# KiCad board processed.kicad_pcb (continued)
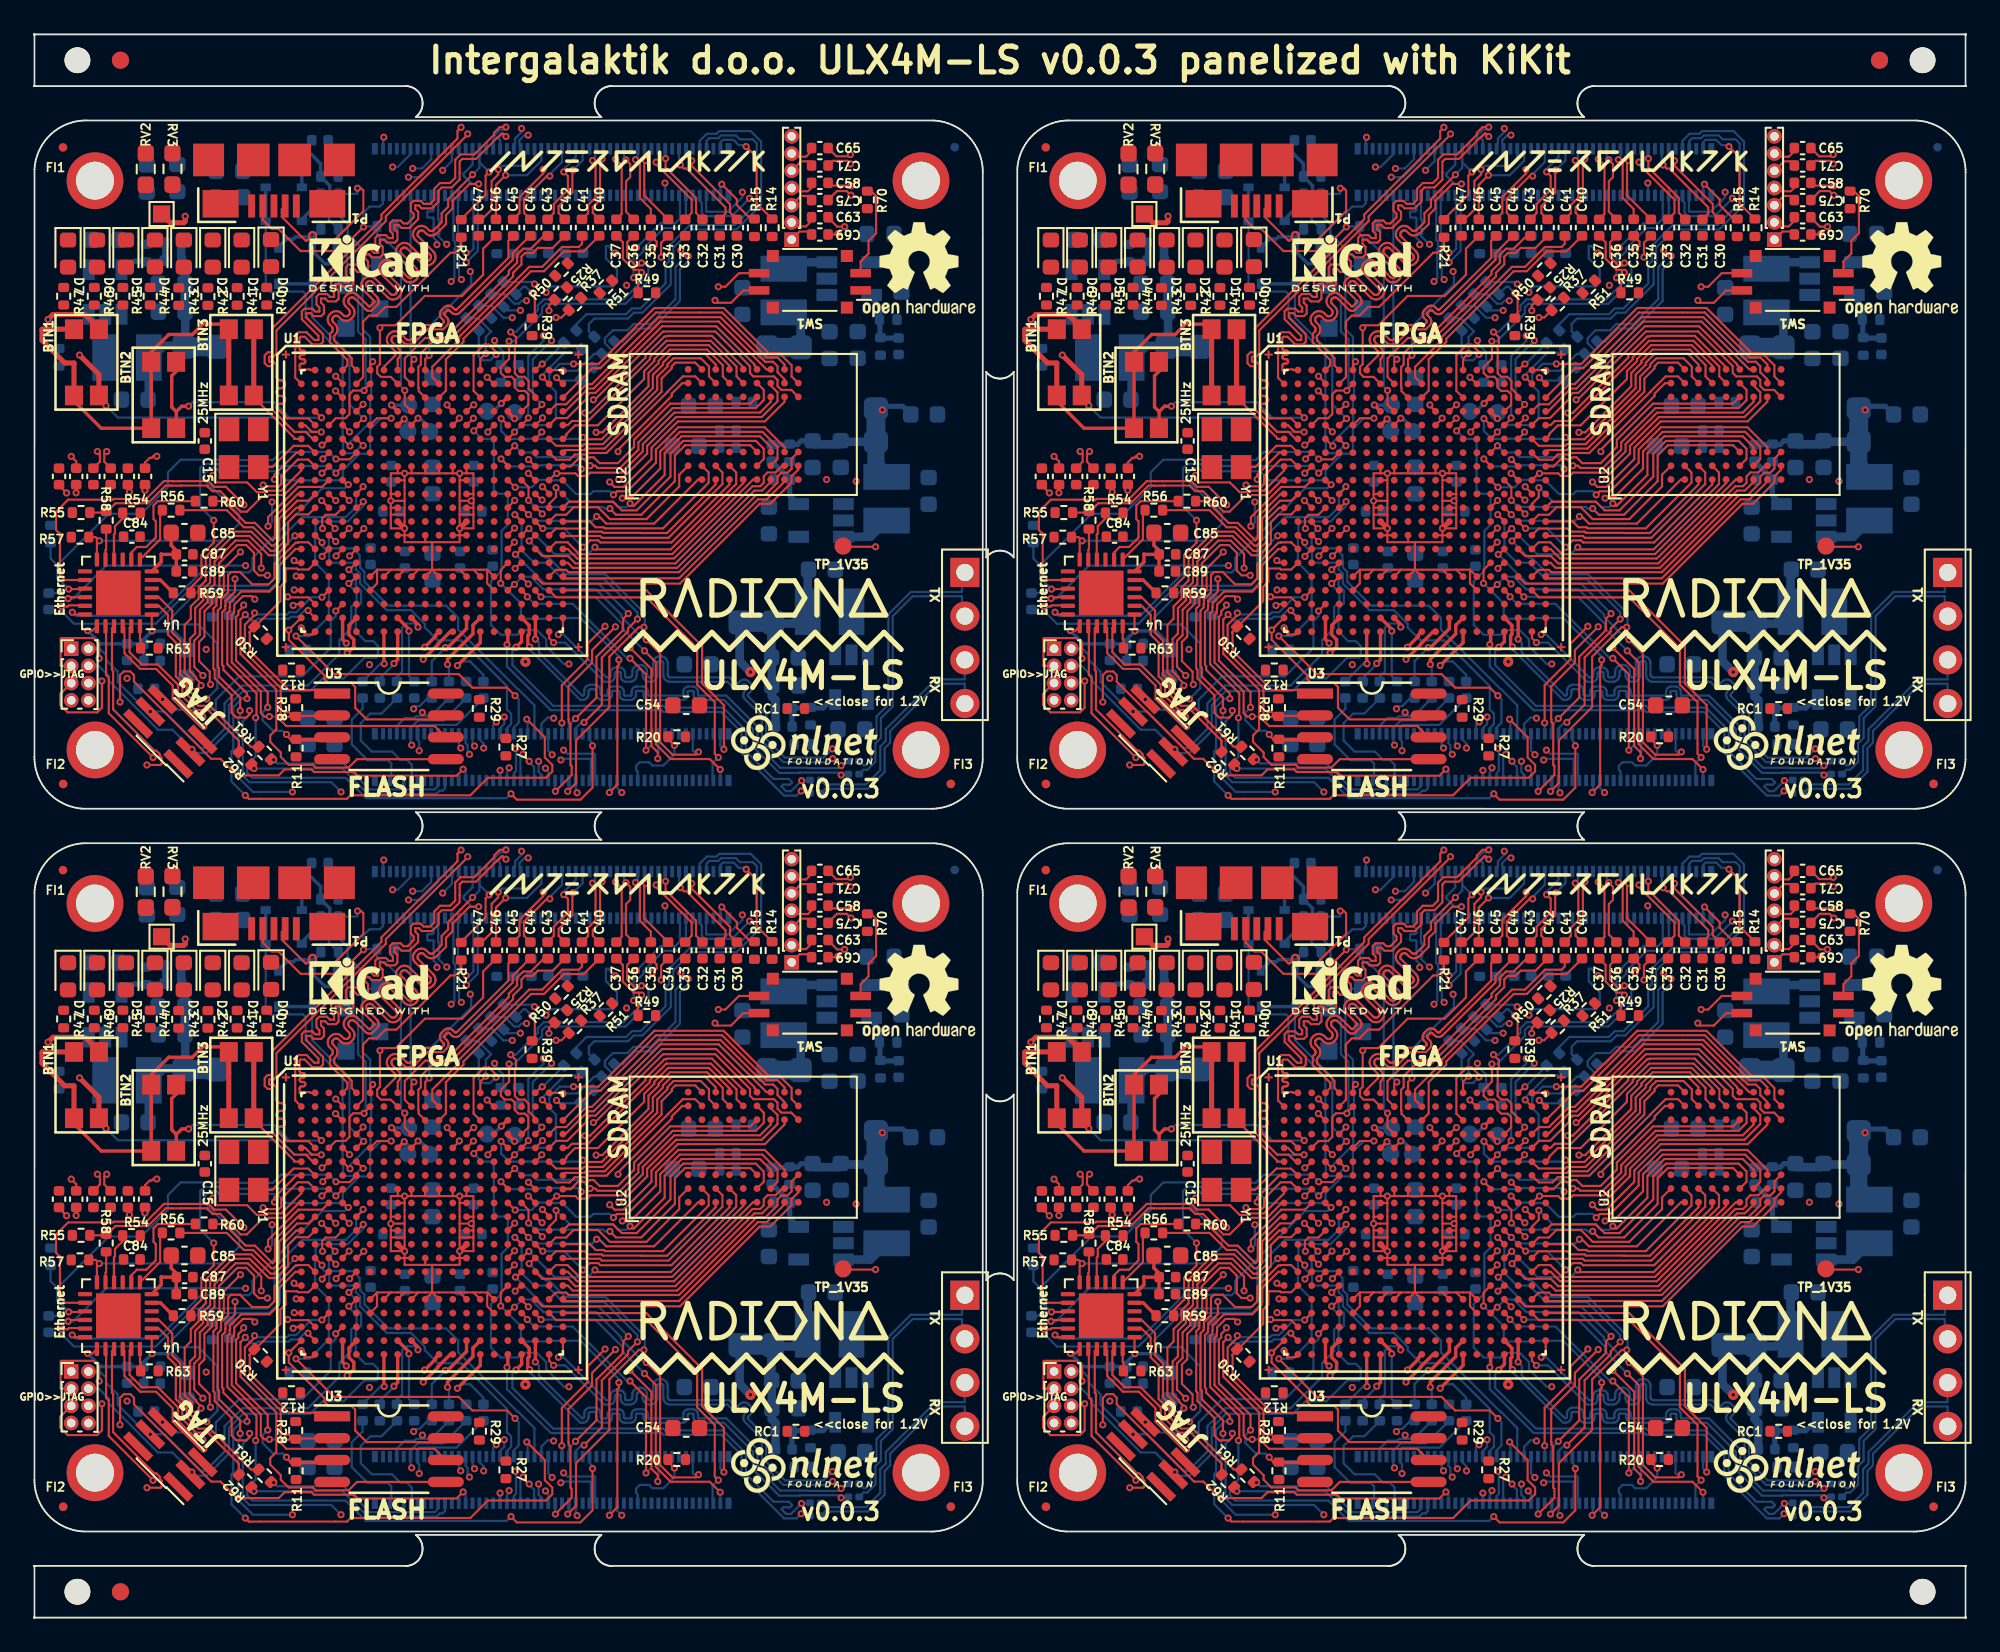
[diagram p0: board, top side]
## Routing (per net, layer and track width the routed paths; a pad name or vN(x,y) marks a point on that pad's centre or on a via; arc(x,y) is an arc through that point) (continued)
Board_2-HDMI1_TX0_P: length 5
  Top w0.127: C43#3.2 30.18,39.61 30.18,40.14 31,40.96 31,41.77 v1(30.76,42.01)
  Bottom w0.127: v1(30.76,42.01) 30.76,42.17 31.46,42.87 J2#3.58
Board_2-HDMI1_TX1_N: length 5.3
  Top w0.127: C44#3.2 28.45,39.62 28.45,40.44 29.77,41.77 v1(29.95,41.77)
  Bottom w0.127: J2#3.54 30.66,42.58 29.95,41.88 v1(29.95,41.77)
Board_2-HDMI1_TX1_P: length 5.1
  Top w0.127: v1(29.56,42.15) 29.56,41.92 28.19,40.54 28.19,39.62 C45#3.2
  Bottom w0.127: J2#3.52 30.26,42.85 v1(29.56,42.15)
Board_2-HDMI1_TX2_N: length 5.9
  Top w0.127: C46#3.2 26.82,41.26 v1(27.38,41.82)
  Bottom w0.127: J2#3.48 29.46,42.66 28.62,41.82 v1(27.38,41.82)
Board_2-HDMI1_TX2_P: length 6.5
  Top w0.127: v1(26.95,42.16) 26.95,41.86 26.57,41.47 26.57,39.82 26,39.25 C47#3.2
  Bottom w0.127: J2#3.46 29.06,42.68 28.74,42.36 27.16,42.36 v1(26.95,42.16)
Board_2-ID_SC: length 66.1
  Top w0.127: U1#3.J3 16.72,23.7 15.34,23.7 13.58,21.94 v1(13.58,21.42)
  In2.Cu w0.127: v1(27.06,7.23) 27.06,7.08 26.51,6.53 26.36,6.53 26.36,6.53 20.76,6.53 20.74,6.51 19.94,6.51 19.56,6.89 17.14,6.89 17.02,6.76 14.82,6.76 14.42,6.36 12.63,6.36 12.55,6.43 11.96,6.43 11.61,6.09 2.59,6.09 1.09,7.58 1.09,10.56 0.92,10.73 0.92,24.45 1.3,24.82 6.95,24.82 7.9,23.88 9.28,23.88 10.18,24.78 11.76,24.78 13.5,23.04 13.6,23.04 v1(13.81,22.83)
  Bottom w0.127: J1#3.35 27.06,7.23 v1(27.06,7.23) ; v1(13.58,21.42) 13.81,21.65 v1(13.81,22.83)
Board_2-ID_SD: length 63.5
  Top w0.127: v1(10.37,24.38) 10.37,24.15 10.56,23.96 12.36,23.96 12.93,23.4 13.43,23.4 13.51,23.48 14.34,23.48 15.51,24.66 U1#3.H1
  In2.Cu w0.127: v1(27.3,10.34) 27.3,8.07 26.66,7.43 26.66,7.04 26.4,6.79 26.25,6.79 26.25,6.78 20.65,6.78 20.64,6.76 20.04,6.76 19.66,7.14 17.04,7.14 16.91,7.01 14.72,7.01 14.32,6.61 12.73,6.61 12.66,6.69 11.85,6.69 11.56,6.4 8.14,6.4 7.46,7.07 6.99,7.07 6.81,6.89 6.26,6.89 5.73,7.42 5.73,8.84 4.13,10.44 1.58,10.44 1.18,10.83 1.18,24.34 1.41,24.57 6.85,24.57 7.8,23.61 9.61,23.61 v1(10.37,24.38)
  Bottom w0.127: v1(27.3,10.34) 27.3,9.93 27.06,9.68 J1#3.36
Board_2-JTAG_TCK: length 25.9
  Top w0.127: v1(18.27,18.09) 18.31,18.09 U1#3.T5
  Bottom w0.127: J6#3.2 3.15,14.29 3.8,14.29 4.16,13.93 4.16,13.65 4.84,12.97 4.84,12.38 6.57,10.65 v1(6.73,10.65) 7.56,10.65 9.67,8.54 9.94,8.54 11.05,9.64 11.05,11.12 12.09,12.16 15.89,12.16 17.72,13.99 17.72,14.24 17.72,14.25 17.72,14.81 18.41,15.5 18.41,16.73 18.72,17.05 18.72,17.58 18.27,18.03 v1(18.27,18.09)
Board_2-JTAG_TDI: length 29.1
  Top w0.127: v1(18.28,18.89) 18.31,18.89 U1#3.R5
  Bottom w0.127: J6#3.4 3.74,13.3 4.32,12.73 4.32,12.45 7.18,9.59 8.02,9.59 v1(9.16,8.45) 9.37,8.24 10.02,8.24 11.3,9.53 11.3,11.02 12.13,11.84 16.02,11.84 16.75,12.58 17.97,12.58 19.18,13.78 19.86,13.78 19.96,13.88 19.96,14.46 19.68,14.74 19.23,14.74 18.67,15.3 18.67,16.63 18.98,16.95 18.98,17.67 18.67,17.98 18.67,18.5 v1(18.28,18.89)
Board_2-JTAG_TDO: length 19.4
  Top w0.127: v1(17.51,16.49) U1#3.V4
  In2.Cu w0.127: v1(7.44,11.36) 7.12,11.67 4.6,11.67 4.25,12.02 3.42,12.02 J6#3.6
  Bottom w0.127: v1(7.44,11.36) 8.04,10.75 10.53,10.75 10.54,10.76 10.54,11.33 11.9,12.69 15.56,12.69 17.08,14.21 17.08,14.26 17.22,14.4 17.22,15.9 17.51,16.2 v1(17.51,16.49)
Board_2-Net-(BTN1-Pad1): length 25.9
  Top w0.2: BTN1#4.1 2.3,28.69 3.88,27.11 6.78,27.11 BTN2#3.1 BTN2#3.1 6.79,31.54 7.81,32.56 9.18,32.56 9.85,33.23 9.9,33.23 9.97,33.16 11,33.16 11.3,32.87
  Top w0.3: 11.3,29.02 11.3,32.87 ; BTN1#4.1 0.46,32.87 0.44,32.84 0.44,32.22 1.76,30.9 2.3,30.9 BTN1#4.1
Board_2-Net-(D10-Pad1): length 1.6
  Bottom w0.2: R4#4.1 15.54,42.52 D10#3.1
Board_2-Net-(D11-Pad2): length 1.4
  Bottom w0.2: R5#3.1 15.98,39.69 15.54,39.25 D11#3.2
Board_2-Net-(D12-Pad1): length 2
  Bottom w0.2: R6#3.1 16.89,36.67 16.13,37.43 D12#3.1
Board_2-Net-(D13-Pad2): length 2.9
  Bottom w0.2: R7#3.1 16.2,38.23 15.18,38.23 15.06,38.11 14.66,38.11 D13#3.2
Board_2-Net-(R22-Pad2): length 3.5
  Top w0.127: U1#3.A19 30.68,30.49 v1(30.72,30.45)
  Bottom w0.127: R22#3.2 32.53,31.43 31.55,30.45 v1(30.72,30.45)
Board_2-Net-(R23-Pad2): length 2.3
  Top w0.127: U1#3.A18 29.46,30.85 v1(29.5,30.85)
  Bottom w0.127: R23#3.2 29.54,30.85 v1(29.5,30.85)
Board_2-Net-(R24-Pad2): length 4.3
  Top w0.127: v1(26.23,31.46) 25.91,31.15 U1#3.A14
  Bottom w0.127: v1(26.23,31.46) 26.23,32.42 26.54,32.73 25.77,33.5 R24#3.2
Board_2-Net-(R25-Pad2): length 10.3
  Top w0.127: v1(25.53,28.48) 25.49,28.48 U1#3.D13 ; R25#3.2 29.9,34.24 v1(29.9,33.95)
  In2.Cu w0.127: v1(29.9,33.95) 29.63,33.95 28.06,32.37 28.06,31.71 27.35,31 25.35,31 25.09,30.74 25.09,28.92 v1(25.53,28.48)
Board_2-Net-(R26-Pad2): length 11.6
  Top w0.127: U1#3.D12 23.98,28.43 v1(23.98,28.47)
  In2.Cu w0.127: v1(28.6,34.53) 27.3,34.53 23.98,31.21 v1(23.98,28.47)
  Bottom w0.127: R26#3.2 27.34,34.89 27.88,34.35 28.15,34.35 28.32,34.53 v1(28.6,34.53)
Board_2-Net-(R34-Pad1): length 2
  Top w0.127: v1(30.34,30.05) 30.35,30.05 U1#3.B20
  Bottom w0.127: v1(30.34,30.05) 30.51,29.89 31.7,29.89 R34#3.1
Board_2-Net-(R35-Pad1): length 3.6
  Top w0.127: U1#3.B19 v1(29.52,30.08)
  Bottom w0.127: v1(29.52,30.08) 29.52,30.21 30.82,31.51 31.63,31.51 R35#3.1
Board_2-Net-(R36-Pad1): length 7.3
  Top w0.127: v1(26.83,31.4) 26.83,31.55 26.4,31.97 26.14,31.97 25.52,31.36 25.52,29.29 U1#3.C14
  Bottom w0.127: v1(26.83,31.4) 26.49,31.06 26.04,31.06 25.82,31.28 R36#3.1
Board_2-Net-(R37-Pad1): length 11.4
  Top w0.127: v1(30.31,33.55) 30.62,33.55 R37#4.1 ; U1#3.E13 v1(25.51,27.69)
  In2.Cu w0.127: v1(30.31,33.55) 29.59,33.55 28.31,32.27 28.31,31.61 27.35,30.64 25.35,30.64 25.35,29.23 25.93,28.65 25.93,28.11 v1(25.51,27.69)
Board_2-Net-(R38-Pad1): length 10.4
  Top w0.127: v1(24.69,27.7) 24.69,27.68 U1#3.E12
  In2.Cu w0.127: v1(28.24,33.96) 27.1,33.96 24.27,31.13 24.27,28.76 24.69,28.33 v1(24.69,27.7)
  Bottom w0.127: R38#3.1 27.48,33.96 v1(28.24,33.96)
Board_2-Net-(R54-Pad1): length 2.9
  Top w0.127: R54#3.1 5.13,21.87 4.68,21.43 4.68,20.99 4.62,20.92 4.62,19.49 U4#3.10
Board_2-Net-(R56-Pad1): length 3.4
  Top w0.127: R56#3.1 7.3,22.23 7.3,20.66 U4#3.7
Board_2-Net-(R58-Pad2): length 1.8
  Top w0.127: U4#3.11 4.13,20.03 4.17,20.07 R58#3.2
Board_2-Net-(R60-Pad1): length 6.6
  Top w0.127: U4#3.8 5.63,19.89 5.95,20.21 6.5,20.21 7.05,20.77 7.05,21.71 6.92,21.84 6.92,22.63 7.17,22.87 R60#3.1
Board_2-Net-(R70-Pad2): length 5.5
  Top w0.127: SW1#3.2 48.01,36.8 48.47,37.26 48.47,38 48.91,38.45 48.91,40.6 48.62,40.89 R70#3.2
Board_2-Net-(TP_C16-Pad1): length 1.5
  Top w0.2: v1(27.13,28.55) 27.47,28.89 U1#3.C16
  Bottom w0.2: TP_C16#3.1 26.67,28.09 v1(27.13,28.55)
Board_2-Net-(TP_D8-Pad1): length 1.5
  Top w0.2: U1#3.D8 21.11,28.1 v1(20.75,28.46)
  Bottom w0.2: v1(20.75,28.46) 20.76,28.45 TP_D8#3.1
Board_2-Net-(TP_D16-Pad1): length 0.9
  Top w0.2: v1(27.9,27.67) 27.51,28.06 U1#3.D16
  Bottom w0.2: v1(27.9,27.67) 27.91,27.68 TP_D16#3.1
Board_2-Net-(TP_E8-Pad1): length 1.3
  Top w0.2: v1(21.49,27.65) 21.13,27.29 U1#3.E8
  Bottom w0.2: TP_E8#3.1 21.7,27.44 v1(21.49,27.65)
Board_2-Net-(TP_E9-Pad1): length 1.7
  Top w0.127: U1#3.E9 21.91,27.31 v1(22.29,27.69)
  Bottom w0.2: TP_E9#3.1 22.97,27.12 22.4,27.69 v1(22.29,27.69)
Board_2-nEXTRST: length 16.9
  Top w0.127: U1#3.U20 35.56,17.69 38.8,14.45 38.8,12.29 40.06,11.02 v1(40.06,8.45)
  Bottom w0.127: v1(40.06,8.45) 39.86,8.66 J1#3.100
Board_2-PCIe_CLK_nREQ: length 19.2
  Top w0.127: U1#3.A10 22.71,31.12 v1(22.94,31.35)
  In2.Cu w0.127: v1(20.3,44.02) 21.04,43.28 23.6,43.28 24.5,42.38 24.5,38.61 25.6,37.51 25.6,36.49 v1(25.33,36.22)
  Bottom w0.127: v1(25.33,36.22) 25.38,36.17 25.38,35.46 22.95,33.03 22.95,31.36 v1(22.94,31.35) ; v1(20.3,44.02) 20.26,43.98 J2#3.2
Board_2-PCIe_CLK_P: length 35.3
  Top w0.127: C59#4.1 2.43,25.19 v1(2.14,25.48)
  In2.Cu w0.127: v1(2.14,25.48) 1.99,25.63 1.99,26.57 2.93,27.51 9.17,27.51 11.54,29.89 11.56,29.89 11.73,29.72 11.96,29.72 12.27,30.03 12.27,30.26 12.1,30.43 12.1,30.45 14.08,32.42 14.08,32.71 13.91,32.87 13.91,32.95 14.02,33.05 14.09,33.05 14.6,32.54 14.89,32.54 15.14,32.8 15.14,33.11 14.87,33.39 14.86,33.39 14.65,33.61 14.65,33.68 14.75,33.78 14.83,33.78 14.99,33.62 15.28,33.62 16.56,34.9 16.56,35.2 16.33,35.42 16.33,35.85 16.75,35.85 16.98,35.62 17.61,35.62 20.88,38.89 20.88,40.53 21.13,40.78 21.13,40.83 20.88,41.08 20.88,42.23 v1(20.82,42.3)
  Bottom w0.127: J2#3.10 21.86,43.04 21.11,42.3 v1(20.82,42.3)
Board_2-PCIe_nRST: length 10.3
  Top w0.127: U1#3.A9 21.91,30.98 v1(22.06,31.12)
  Bottom w0.127: v1(22.06,31.12) 21.86,31.32 J2#3.9
Board_2-PCIe_RX_N: length 35.2
  Top w0.127: v1(3.66,25.76) 3.8,25.62 3.8,25.17 C67#3.2
  In2.Cu w0.127: v1(21.73,41.7) 22.08,41.7 22.22,41.56 22.22,39.24 13.84,30.86 11.54,28.56 11.38,28.56 11.21,28.72 10.84,28.72 10.68,28.55 10.68,28.18 10.84,28.02 10.84,27.85 10.83,27.84 10.67,27.84 10.5,28.01 10.13,28.01 9.96,27.84 9.96,27.47 10.13,27.3 10.13,27.14 8.48,27.14 8.38,27.24 8.18,27.24 8.08,27.14 7.88,27.14 7.78,27.24 7.58,27.24 7.48,27.14 7.04,27.14 6.47,26.57 6.15,26.57 6.03,26.69 6.03,26.92 5.77,27.18 5.54,27.18 5.27,26.92 5.27,25.79 5.14,25.66 5.02,25.79 5.02,26.3 4.74,26.57 4.18,26.57 3.8,26.2 3.8,25.91 v1(3.66,25.76)
  Bottom w0.127: J2#3.18 23.46,42.75 22.41,41.7 v1(21.73,41.7)
Board_2-PCIe_RX_P: length 35.5
  Top w0.127: C61#3.1 4.06,25.17 4.06,25.62 v1(4.2,25.76)
  In2.Cu w0.127: v1(21.98,42.21) 22.48,41.71 22.48,39.64 22.6,39.51 22.91,39.51 23.04,39.39 22.91,39.26 22.6,39.26 11.73,28.39 11.65,28.3 11.27,28.3 11.11,28.47 10.95,28.47 10.93,28.45 10.93,28.29 11.09,28.12 11.09,27.75 10.93,27.59 10.56,27.59 10.4,27.75 10.23,27.75 10.22,27.74 10.22,27.57 10.38,27.41 10.38,27.04 10.23,26.89 7.92,26.89 7.72,26.69 7.62,26.69 7.42,26.89 7.14,26.89 6.57,26.32 6.04,26.32 5.78,26.58 5.78,26.81 5.67,26.93 5.64,26.93 5.53,26.81 5.53,25.68 5.25,25.41 5.04,25.41 4.76,25.68 4.76,26.19 4.64,26.32 4.28,26.32 4.06,26.09 4.06,25.91 v1(4.2,25.76)
  Bottom w0.127: J2#3.16 23.06,42.75 22.52,42.21 v1(21.98,42.21)
Board_2-PCIe_TX_P: length 34.6
  Top w0.127: C55#3.1 6.43,25.12 6.7,25.39 6.81,25.39 6.9,25.48 v1(7.11,25.48)
  In2.Cu w0.127: v1(7.11,25.48) 7.2,25.58 7.56,25.58 8.15,26.17 8.56,26.17 8.73,25.99 8.86,25.99 9.03,26.17 10.73,26.17 11.95,27.39 11.97,27.41 12,27.42 12.04,27.43 12.07,27.43 12.1,27.42 12.13,27.41 12.16,27.39 12.6,26.94 12.67,26.89 12.74,26.85 12.83,26.83 12.91,26.83 13,26.85 13.07,26.89 13.14,26.94 13.17,26.97 13.22,27.04 13.26,27.12 13.28,27.2 13.28,27.29 13.26,27.37 13.22,27.45 13.17,27.51 12.73,27.96 12.71,27.98 12.69,28.01 12.69,28.04 12.69,28.08 12.69,28.11 12.71,28.14 12.73,28.16 12.75,28.18 12.78,28.2 12.81,28.21 12.85,28.21 12.88,28.2 12.91,28.18 12.93,28.16 13.38,27.72 13.44,27.67 13.52,27.63 13.6,27.61 13.69,27.61 13.77,27.63 13.85,27.67 13.92,27.72 13.95,27.75 14,27.82 14.04,27.9 14.06,27.98 14.06,28.06 14.04,28.15 14,28.22 13.95,28.29 13.5,28.74 13.48,28.76 13.47,28.79 13.46,28.82 13.46,28.85 13.47,28.89 13.48,28.92 13.5,28.94 13.53,28.96 13.56,28.98 13.59,28.98 13.62,28.98 13.66,28.98 13.69,28.96 13.71,28.94 14.01,28.64 14.08,28.58 14.16,28.55 14.24,28.53 14.33,28.53 14.41,28.55 14.49,28.58 14.55,28.64 14.59,28.67 14.64,28.74 14.68,28.81 14.7,28.9 14.7,28.98 14.68,29.07 14.64,29.14 14.59,29.21 14.28,29.51 14.26,29.54 14.25,29.57 14.24,29.6 14.24,29.63 14.25,29.66 14.26,29.69 14.28,29.72 14.29,29.72 14.3,29.72 14.4,29.62 14.44,29.58 14.49,29.56 14.55,29.54 14.6,29.54 14.66,29.56 14.71,29.58 14.75,29.62 14.97,29.83 15,29.88 15.03,29.93 15.04,29.98 15.04,30.04 15.03,30.09 15,30.14 14.97,30.19 14.87,30.29 14.86,30.3 14.87,30.3 18.79,34.22 19.18,34.22 19.68,34.72 19.68,34.73 23.72,38.78 23.72,40.32 23.87,40.47 24.07,40.47 24.22,40.62 24.07,40.77 23.87,40.77 23.72,40.92 v1(23.72,42.1)
  Bottom w0.127: J2#3.22 24.26,42.64 v1(23.72,42.1)
Board_2-RGMII_REF_CLK: length 26
  Top w0.127: U4#3.14 1.78,18.29 1.48,18.59 1.48,21 1.45,21 1.26,21.19 1.26,22.26 1.96,22.96 4.56,22.96 4.6,23.01 6.49,23.01 7.52,24.04 8.04,24.04 8.04,24.03 8.43,24.03 8.43,24.04 10.12,24.04 10.45,23.71 11.13,23.71 v1(12.17,22.67) ; v1(13.29,23.82) 13.37,23.74 14.21,23.74 14.35,23.87 14.35,24.34 15.3,25.29 15.91,25.29 U1#3.H2
  In2.Cu w0.127: v1(12.17,22.67) 12.25,22.58 13.37,22.58 13.63,22.33 14.01,22.33 14.22,22.53 14.22,23.51 13.99,23.74 13.37,23.74 v1(13.29,23.82)
Board_2-RGMII_RX_DV: length 14.3
  Top w0.127: U1#3.J1 15.37,24.09 14.51,23.23 13.62,23.23 13.52,23.13 13.21,23.13 12.35,22.27 11.99,22.27 10.8,23.46 10.35,23.46 10.08,23.73 10.07,23.73 10.01,23.78 8.54,23.78 8.53,23.78 7.94,23.78 7.93,23.78 7.63,23.78 6.6,22.75 4.71,22.75 4.23,22.27 R58#3.1 4.11,22.21 R55#3.2
Board_2-RGMII_RXD0: length 7.9
  Top w0.127: U1#3.K1 15.3,23.29 13.98,21.97 13.98,20.73 13.84,20.59 12.82,21.62 12.28,21.62 11.02,22.87 R60#3.2
Board_2-RGMII_RXD1: length 10.7
  Top w0.127: R56#3.2 11.18,22.35 12.17,21.36 12.71,21.36 13.78,20.3 13.91,20.3 14.23,20.62 14.23,21.86 15.27,22.9 15.92,22.9 U1#3.K2
Board_2-RGMII_TX_CLK: length 16.9
  Top w0.127: v1(10.42,21.77) 10.42,20.46 9.7,19.75 9.7,18.48 9.09,17.86 R59#3.2 ; U1#3.H4 v1(17.52,24.51)
  Bottom w0.127: v1(10.42,21.77) 9.63,22.55 9.63,24.79 9.87,25.03 10.67,25.03 10.78,24.92 17.1,24.92 v1(17.52,24.51)
Board_2-RGMII_TX_EN: length 20.3
  Top w0.127: U4#3.16 2.04,17.29 v1(1.96,17.22) ; v1(17.51,22.91) 17.49,22.91 U1#3.K3
  In2.Cu w0.127: v1(17.51,22.91) 17.11,23.32 16.08,23.32 14.23,21.47 14.23,20.62 12.75,19.13 v1(12.27,19.13)
  Bottom w0.127: v1(12.27,19.13) 4.17,19.13 2.26,17.22 v1(1.96,17.22)
Board_2-RGMII_TXD0: length 25
  Top w0.127: U4#3.17 2.92,16.82 2.01,16.82 1.94,16.75 v1(1.58,16.75) ; v1(19.1,23.72) 19.1,23.68 U1#3.K5
  Bottom w0.127: v1(19.1,23.72) 18.69,23.31 18.69,22.55 18.1,21.95 15.56,21.95 13.95,20.34 13.95,18.38 13.53,17.96 9.26,17.96 7.05,15.75 2.3,15.75 1.58,16.48 v1(1.58,16.75)
Board_2-RGMII_TXD1: length 20.9
  Top w0.127: U4#3.18 2.33,16.29 v1(2.2,16.42) ; U1#3.J4 18.17,23.84 v1(18.24,23.84)
  Bottom w0.127: v1(18.24,23.84) 18.03,23.63 16.73,23.63 12.67,19.57 12.67,18.94 12.46,18.73 12.01,18.73 11.98,18.76 9.7,18.76 7.15,16.21 2.41,16.21 v1(2.2,16.42)
Board_2-RUN_PG: length 20.2
  Top w0.127: v1(27.9,18.04) 27.85,18.04 U1#3.U16 ; v1(38.59,8.3) 38.43,8.14 37.08,8.14 36.36,8.87 36.36,14.02 v1(35.56,14.82)
  Bottom w0.127: v1(27.9,18.04) 28.34,18.48 28.85,18.48 29.58,17.75 32.63,17.75 34.11,16.27 34.11,16.15 35.44,14.82 v1(35.56,14.82) ; J1#3.92 38.26,8.39 38.36,8.29 38.58,8.29 v1(38.59,8.3)
Board_2-SCL0: length 14.8
  Top w0.127: v1(28.64,17.32) 28.64,17.36 U1#3.U17 ; v1(34.61,13.74) 35.54,12.82 v1(35.54,8.4)
  Bottom w0.127: J1#3.80 35.86,8.72 v1(35.54,8.4) ; v1(34.61,13.74) 34.44,13.74 31.27,16.91 29.05,16.91 v1(28.64,17.32)
Board_2-SD_CLK: length 45.2
  Top w0.127: U1#3.G1 15.23,25.69 13.95,24.41 v1(13.95,24.15) ; v1(11.97,19.92) 11,18.96 11,17.69 10.58,17.27 10.58,16.82 10.4,16.64 10.4,13.15 10.47,13.08 10.47,12.58 11.46,11.6 11.46,10.58 11.74,10.3 12.31,10.3 12.5,10.49 v1(12.5,10.71)
  In2.Cu w0.127: v1(11.97,19.92) 11.97,20.4 13.4,21.82 13.86,21.82 14.47,22.43 14.47,23.62 v1(13.95,24.15) ; v1(17.82,5.98) 18.07,5.73 26.79,5.73 27.34,6.27 27.94,6.27 28.6,5.61 31.22,5.61 v1(31.54,5.93)
  Bottom w0.127: v1(17.82,5.98) 17.25,6.55 12.49,6.55 12.11,6.93 12.11,7.64 12.11,10.09 12.5,10.49 v1(12.5,10.71) ; J1#3.57 31.46,6.01 v1(31.54,5.93)
Board_2-SD_CMD: length 41.3
  Top w0.127: v1(12.86,10.29) 12.9,10.34 12.9,11.71 11.21,13.4 11.21,16.36 11.34,16.49 11.34,16.69 11.36,16.7 11.36,16.96 12.02,17.62 13.66,17.62 14.21,18.17 14.21,19.13 15.17,20.09 U1#3.P1 ; v1(27.69,5.87) 28.03,5.53 31.73,5.53 32.43,6.24 v1(32.43,8.66)
  Bottom w0.127: v1(32.43,8.66) 32.43,8.81 32.26,8.98 J1#3.62 ; v1(12.86,10.29) 12.86,8.03 12.36,7.53 12.36,7.1 12.67,6.8 18.09,6.8 19.27,5.62 27.44,5.62 v1(27.69,5.87)
Board_2-SD_D0: length 28.7
  Top w0.127: v1(26.31,30.07) 26.69,29.69 U1#3.B15
  In2.Cu w0.127: v1(26.31,30.07) 25.75,29.51 25.75,29.21 26.2,28.76 26.2,27.36 26.19,27.36 25.93,27.11 25.93,26.29 25.84,26.2 25.84,21.07 27,19.91 27,18.81 27.5,18.31 27.5,17.41 28.28,16.62 28.28,16.24 28.47,16.05 28.85,16.05 29.77,15.13 29.77,13.83 29.77,13.83 29.77,9.7 30.15,9.32 30.37,9.32 30.75,8.95 v1(30.75,8.41)
  Bottom w0.127: v1(30.75,8.41) 30.96,8.2 32.54,8.2 32.58,8.16 32.58,6.72 J1#3.63
Board_2-SD_D1: length 19.4
  Top w0.127: U1#3.R16 27.1,18.89 27.1,18.11 v1(27.1,18.11) ; v1(33.96,13.66) 33.96,13.36 33.87,13.27 33.87,6.41 v1(33.41,5.95)
  Bottom w0.127: v1(33.41,5.95) 33.46,5.99 J1#3.67 ; v1(27.1,18.11) 28.27,16.93 28.27,16.1 28.33,16.04 29.93,16.04 29.97,16.08 31.73,16.08 33.96,13.85 v1(33.96,13.66)
Board_2-SD_D2: length 29
  Top w0.127: U1#3.E14 25.86,27.29 v1(25.53,26.96)
  In2.Cu w0.127: v1(31.06,13.41) 33.92,10.55 33.92,6.15 v1(34.13,5.94)
  Bottom w0.127: v1(31.06,13.41) 30.76,13.41 29.74,14.44 29.74,14.84 29.2,15.38 28.35,15.38 28.09,15.11 27.1,15.11 26.53,15.68 26.53,18.21 27.15,18.83 27.15,21.15 27.51,21.51 27.51,23.13 27.33,23.31 26.94,23.31 26.7,23.56 26.7,26.29 26.49,26.5 26,26.5 v1(25.53,26.96) ; v1(34.13,5.94) 33.86,6.22 J1#3.69
Board_2-SD_D3: length 43.4
  Top w0.127: v1(11.96,10.7) 11.96,11.46 10.73,12.69 10.73,13.19 10.65,13.26 10.65,16.52 10.84,16.7 10.84,16.9 10.85,16.91 10.85,17.17 11.26,17.58 11.26,18.59 11.43,18.76 11.94,18.76 12.66,18.05 13.62,18.05 13.95,18.38 13.95,19.23 15.18,20.46 15.31,20.46 15.33,20.49 15.92,20.49 U1#3.P2
  In2.Cu w0.127: v1(14.99,5.98) 17.23,5.98 17.63,6.38 18.01,6.38 18.4,5.98 26.69,5.98 27.23,6.52 30.09,6.52 30.42,6.85 30.42,7.48 30.59,7.65 v1(30.59,7.84)
  Bottom w0.127: v1(11.96,10.7) 11.96,10.4 11.85,10.3 11.85,6.82 12.7,5.98 v1(14.99,5.98) ; v1(30.59,7.84) 30.66,7.9 32.33,7.9 32.33,7.9 32.33,6.72 J1#3.61
Board_2-SD_PWR_ON: length 29.5
  Top w0.127: v1(37.19,8.69) 36.82,9.06 R20#3.1 ; v1(26.35,26.9) 26.35,26.94 U1#3.E15
  In2.Cu w0.127: v1(37.19,8.69) 36.89,8.69 35.85,9.73 35.85,10.85 30.63,16.07 29.31,16.07 29.15,16.23 29.15,16.61 28.89,16.86 28.52,16.86 28.24,17.15 28.24,17.51 28.3,17.57 28.3,18.26 28.05,18.51 27.77,18.51 27.28,19 27.28,20.05 26.94,20.39 26.94,21.39 26.47,21.86 26.47,22.9 26.7,23.13 26.7,26.55 v1(26.35,26.9)
  Bottom w0.127: v1(37.19,8.69) 37.19,8.15 36.55,7.51 35.91,7.51 35.72,7.7 35.17,7.7 34.96,7.5 34.96,7.25 35.06,7.16 J1#3.75
Board_2-SDA0: length 16.6
  Top w0.127: v1(34.61,14.36) 35.85,13.12 35.85,8.65 36.22,8.28 v1(36.22,7.92) ; U1#3.T17 28.31,18.45 v1(28.7,18.06)
  In2.Cu w0.127: v1(28.7,18.06) 29,17.76 29.61,17.76 33.01,14.36 v1(34.61,14.36)
  Bottom w0.127: v1(36.22,7.92) 36.26,7.95 J1#3.82
Board_2-SDRAM_A0: length 20.5
  Top w0.127: v1(33.43,23.99) 33.71,23.7 34.24,23.7 35.86,25.32 35.86,25.98 37.39,27.51 42.45,27.51 43.59,28.65 U2#3.H7 ; U1#3.H16 27.51,24.94 v1(27.11,25.33)
  In2.Cu w0.127: v1(31.78,24.75) 32.53,23.99 v1(33.43,23.99)
  Bottom w0.127: v1(31.78,24.75) 31.56,24.96 29.35,24.96 29.29,24.89 27.55,24.89 v1(27.11,25.33)
Board_2-SDRAM_A1: length 17.9
  Top w0.127: U2#3.H8 43.59,29.96 43.18,30.37 43.18,30.72 42.93,30.98 42.46,30.98 39.87,33.57 36.29,33.57 32.39,29.67 32.07,29.67 30.9,28.5 30.32,28.5 U1#3.D19
Board_2-SDRAM_A2: length 24.3
  Top w0.127: v1(27.9,26.89) 27.9,26.88 U1#3.F16 ; v1(31.33,30.85) 32.78,30.85 36.02,34.1 40.06,34.1 42.67,31.48 43.29,31.48 44,30.78 44,30.13 U2#3.J8
  Bottom w0.127: v1(27.9,26.89) 28.31,27.3 29.13,27.3 29.14,27.3 29.9,27.3 30.3,27.69 30.3,29.23 29.92,29.61 29.92,30.21 29.95,30.24 29.95,30.27 30.53,30.85 v1(31.33,30.85)
Board_2-SDRAM_A3: length 19.6
  Top w0.127: v1(32.48,28.77) 32.56,28.77 36.53,32.74 39.57,32.74 41.58,30.72 41.58,30.32 41.78,30.13 42.98,30.13 43.18,29.92 43.18,29.57 43.4,29.34 43.98,29.34 U2#3.J7 ; U1#3.E18 29.53,27.71 v1(29.53,27.72)
  In2.Cu w0.127: v1(29.53,27.72) 30.58,28.77 v1(32.48,28.77)
Board_2-SDRAM_A4: length 18.1
  Top w0.127: U2#3.J3 44,25.34 44,24.77 43.76,24.53 43.4,24.53 43.18,24.3 43.18,23.96 42.45,23.24 41.94,23.24 37.45,18.75 31.03,18.75 30.9,18.89 30.3,18.89 U1#3.T19
Board_2-SDRAM_A5: length 18.6
  Top w0.127: U2#3.J2 44.39,24.71 44,24.32 44,23.97 42.76,22.73 42.15,22.73 37.51,18.09 29.52,18.09 U1#3.T18
Board_2-SDRAM_A6: length 19.8
  Top w0.127: U2#3.H3 43.59,26.02 42.43,27.17 37.42,27.17 36.11,25.87 36.11,25.11 34.46,23.45 33.85,23.45 v1(33.65,23.25) ; v1(27.94,23.68) 27.92,23.68 U1#3.J16
  Bottom w0.127: v1(33.65,23.25) 33.43,23.46 32.48,23.46 32.31,23.29 31.48,23.29 30.68,24.09 29.74,24.09 29.71,24.11 29.33,24.11 28.9,23.68 v1(27.94,23.68)
Board_2-SDRAM_A7: length 17.4
  Top w0.127: U2#3.H2 43.45,24.93 43.06,24.54 42.6,24.54 42.38,24.32 42.38,23.95 42.18,23.74 41.73,23.74 37.24,19.26 31.44,19.26 31.01,19.69 29.51,19.69 U1#3.P18
Board_2-SDRAM_A8: length 15.4
  Top w0.127: U1#3.T20 30.81,18.39 37.46,18.39 42.05,22.98 42.56,22.98 43.59,24.01 U2#3.H1
Board_2-SDRAM_A9: length 17.4
  Top w0.127: U2#3.G3 42.79,26.02 42.16,26.64 37.6,26.64 36.62,25.66 36.62,24.4 34.84,22.61 34.74,22.61 v1(34.61,22.74) ; U1#3.L19 29.91,22.72 30.31,23.12 v1(30.31,23.66)
  Bottom w0.127: v1(30.31,23.66) 31.13,22.84 33.61,22.84 33.92,22.53 34.4,22.53 v1(34.61,22.74)
Board_2-SDRAM_A10: length 16.5
  Top w0.127: U2#3.H9 43.59,30.82 43.18,31.23 42.56,31.23 39.95,33.84 36.13,33.84 32.89,30.6 32.42,30.6 U1#3.C20
Board_2-SDRAM_A11: length 18.5
  Top w0.127: v1(34.16,23.05) 34.28,23.16 34.76,23.16 36.37,24.77 36.37,25.77 37.5,26.9 42.3,26.9 43.18,26.02 43.18,25.33 U2#3.G2 ; U1#3.K19 29.91,23.32 v1(29.52,23.71)
  In2.Cu w0.127: v1(29.52,23.71) 30.39,22.84 33.96,22.84 v1(34.16,23.05)
Board_2-SDRAM_A12: length 14.4
  Top w0.127: U1#3.R20 30.99,19.29 31.28,19 37.35,19 41.84,23.49 42.28,23.49 42.79,24 U2#3.G1
Board_2-SDRAM_BA0: length 15.4
  Top w0.127: U1#3.J19 30.31,24.49 v1(30.35,24.49) 31.44,24.49 31.59,24.34 32.11,24.34 32.3,24.53 34.12,24.53 35.35,25.77 35.35,26.19 37.19,28.02 42.16,28.02 42.79,28.65 U2#3.G7
Board_2-SDRAM_BA1: length 21.4
  Top w0.127: v1(27.91,22.92) 27.51,22.52 U1#3.L16 ; v1(33.95,24.13) 34.09,24.13 35.61,25.64 35.61,26.08 37.29,27.76 42.26,27.76 43.18,28.68 43.18,29.21 42.79,29.6 U2#3.G8
  In2.Cu w0.127: v1(33.95,24.13) 32.38,25.7 31.65,25.7 30.97,25.02 30.97,24.93 29.33,24.93 29.11,24.72 29.1,24.72 29.1,24.11 v1(27.91,22.92)
Board_2-SDRAM_CKE: length 17.7
  Top w0.127: U1#3.J17 28.71,23.69 v1(28.71,22.93) ; v1(33.44,22.44) 33.8,22.09 35.26,22.09 37.22,24.04 37.22,25.53 37.81,26.13 41.6,26.13 U2#3.F3
  Bottom w0.127: v1(33.44,22.44) 33.14,22.44 33.05,22.54 29.1,22.54 v1(28.71,22.93)
Board_2-SDRAM_CLK: length 15.8
  Top w0.127: U1#3.L20 31.06,22.84 33.63,22.84 34.13,22.34 35,22.34 36.96,24.31 36.96,25.64 37.7,26.38 41.92,26.38 42.38,25.92 42.38,25.33 U2#3.F2
Board_2-SDRAM_D0: length 12.5
  Top w0.127: v1(33.92,25.76) 33.92,25.87 37.04,29 37.04,29.13 37.65,29.73 U2#3.A8 ; U1#3.J18 28.71,24.49 v1(28.7,24.49)
  In2.Cu w0.127: v1(28.7,24.49) 28.7,24.69 29.4,25.39 30.98,25.39 31.57,25.99 33.68,25.99 v1(33.92,25.76)
Board_2-SDRAM_D1: length 10.9
  Top w0.127: U2#3.B9 38.4,30.93 37.24,30.93 37.04,30.72 37.04,30.6 36.44,30.01 36.44,29.24 33.14,25.93 32.04,25.93 31.95,25.84 30.86,25.84 U1#3.G20
Board_2-SDRAM_D2: length 11.2
  Top w0.127: U1#3.G19 30.32,25.29 31.1,25.29 31.4,25.59 32.05,25.59 32.14,25.68 33.24,25.68 36.8,29.24 36.8,29.25 37.68,30.13 38.4,30.13 U2#3.B8
Board_2-SDRAM_D3: length 17.1
  Top w0.127: v1(27.12,27.67) 27.13,27.67 U1#3.E16 ; v1(31.87,26.58) 31.98,26.47 32.96,26.47 35.94,29.45 35.94,30.22 36.53,30.81 36.53,30.93 37.03,31.43 38.97,31.43 39.59,30.82 U2#3.C9
  Bottom w0.127: v1(31.87,26.58) 31.79,26.49 28.91,26.49 28.9,26.5 28.63,26.5 28.62,26.49 27.58,26.49 27.12,26.95 v1(27.12,27.67)
Board_2-SDRAM_D4: length 13.4
  Top w0.127: U2#3.C8 39.2,30.13 39.2,30.7 38.72,31.18 37.14,31.18 36.78,30.82 36.78,30.71 36.19,30.11 36.19,29.34 33.03,26.19 31.93,26.19 31.84,26.1 30.31,26.1 U1#3.F19
Board_2-SDRAM_D5: length 13
  Top w0.127: U1#3.F20 30.91,26.69 30.91,26.77 31.42,27.28 32.74,27.28 35.43,29.97 35.43,30.43 36.02,31.02 36.02,31.14 36.82,31.94 39.2,31.94 40.39,30.75 U2#3.D9
Board_2-SDRAM_D6: length 16.8
  Top w0.127: U2#3.D8 40,30.13 40,30.78 39.09,31.69 36.93,31.69 36.27,31.03 36.27,30.92 35.68,30.32 35.68,29.55 33,26.87 v1(32.64,26.87) ; U1#3.H18 v1(28.71,25.29)
  In2.Cu w0.127: v1(28.71,25.29) 29.07,25.65 30.36,25.65 31.79,27.08 32.43,27.08 v1(32.64,26.87)
Board_2-SDRAM_D7: length 15.6
  Top w0.127: U2#3.E9 41.19,30.67 39.37,32.48 36.76,32.48 36.73,32.45 36.61,32.45 35.51,31.35 35.51,31.23 34.92,30.64 32.29,28 v1(31.99,28) ; v1(29.48,26.9) 29.48,26.86 U1#3.F18
  In2.Cu w0.127: v1(31.99,28) 31.89,28.1 30.65,28.1 29.48,26.93 v1(29.48,26.9)
Board_2-SDRAM_D8: length 13.6
  Top w0.127: U2#3.E1 41.19,23.92 37.06,19.8 31.67,19.8 30.98,20.49 30.3,20.49 U1#3.P19
Board_2-SDRAM_D9: length 16.3
  Top w0.127: U2#3.D2 40.78,24.54 40.78,23.87 36.98,20.07 32.7,20.07 v1(32.57,20.2) ; v1(28.73,21.28) 28.7,21.28 U1#3.N17
  Bottom w0.127: v1(32.57,20.2) 32.16,19.78 30.23,19.78 v1(28.73,21.28)
Board_2-SDRAM_D10: length 13.8
  Top w0.127: U2#3.D1 40.39,23.85 37.01,20.47 32.89,20.47 32.77,20.6 32.28,20.6 v1(31.88,20.2) ; v1(29.54,21.29) 29.51,21.29 U1#3.M18
  Bottom w0.127: v1(31.88,20.2) 30.79,21.29 v1(29.54,21.29)
Board_2-SDRAM_D11: length 11.9
  Top w0.127: U1#3.N20 30.75,20.85 32.87,20.85 32.98,20.74 36.85,20.74 39.98,23.88 39.98,24.54 U2#3.C2
Board_2-SDRAM_D12: length 11.4
  Top w0.127: U1#3.N19 30.3,21.29 31.99,21.29 32.17,21.11 32.98,21.11 33.05,21.03 35.27,21.03 35.28,21.02 36.76,21.02 39.59,23.85 U2#3.C1
Board_2-SDRAM_D13: length 10.9
  Top w0.127: U1#3.M20 32.28,21.69 32.61,21.36 33.08,21.36 33.15,21.29 36.53,21.29 39.18,23.95 39.18,24.54 U2#3.B2
Board_2-SDRAM_D14: length 10.4
  Top w0.127: U1#3.M19 30.3,22.09 30.9,22.09 31.34,22.52 32.75,22.52 33.44,21.83 35.57,21.83 37.47,23.73 37.47,24.41 U2#3.A2
Board_2-SDRAM_D15: length 12.1
  Top w0.127: U1#3.L17 v1(28.71,22.1) ; U2#3.B1 38.57,24.13 36.01,21.57 33.22,21.57 32.81,21.98 v1(32.67,21.98)
  Bottom w0.127: v1(28.71,22.1) 29.07,21.74 32.42,21.74 v1(32.67,21.98)
Board_2-SDRAM_DQM0: length 13.9
  Top w0.127: U2#3.E8 40.8,30.13 40.8,30.7 39.3,32.2 36.72,32.2 35.77,31.24 35.77,31.13 32.18,27.53 31.23,27.53 30.99,27.29 U1#3.E20
Board_2-SDRAM_DQM1: length 13.4
  Top w0.127: U2#3.F1 41.76,24.13 37.17,19.54 31.54,19.54 30.99,20.09 U1#3.P20
Board_2-SDRAM_nCAS: length 13.5
  Top w0.127: U2#3.F7 41.6,28.54 36.95,28.54 34.84,26.44 34.84,26.03 33.9,25.08 32.84,25.08 32.5,25.42 32.25,25.42 32.14,25.31 31.58,25.31 31.16,24.89 U1#3.H20
Board_2-SDRAM_nCS: length 15.4
  Top w0.127: U2#3.G9 42.54,30.53 39.76,33.31 36.39,33.31 32.5,29.42 32.18,29.42 30.85,28.09 U1#3.D20
Board_2-SDRAM_nRAS: length 18.6
  Top w0.127: U1#3.G16 v1(27.91,26.09) ; v1(32.29,24.94) 32.59,24.94 32.72,24.8 34.03,24.8 35.1,25.87 35.1,26.29 37.09,28.28 41.92,28.28 42.38,28.75 42.38,29.34 U2#3.F8
  Bottom w0.127: v1(27.91,26.09) 28.3,25.7 28.9,25.7 29.17,25.44 31.79,25.44 v1(32.29,24.94)
Board_2-SDRAM_nWE: length 15.7
  Top w0.127: U1#3.E19 30.32,27.7 30.96,27.7 32.08,28.83 32.08,28.97 32.28,29.17 32.6,29.17 36.47,33.04 39.62,33.04 41.83,30.83 41.83,30.78 41.99,30.62 U2#3.F9
Board_2-SRCLK1N: length 1.4
  Top w0.127: J5#3.1 44.47,38.54 44.99,38.54 C69#3.2
Board_2-SRCLK1P: length 1.6
  Top w0.127: J5#3.2 44.23,38.84 44.84,38.84 45.16,39.16 C63#3.1
Board_2-SRX11N: length 1.5
  Top w0.127: J5#3.5 44.55,42.62 44.92,42.62 C71#3.2
Board_2-SRX11P: length 1.5
  Top w0.127: J5#3.6 44.18,42.89 44.84,42.89 45.16,43.21 C65#3.1
Board_2-STX11N: length 1.5
  Top w0.127: C75#3.2 44.92,40.61 44.54,40.61 J5#3.3
Board_2-STX11P: length 1.6
  Top w0.127: C58#3.1 45.16,41.09 44.95,40.88 44.19,40.88 J5#3.4
Board_2-SW1: length 24.2
  Top w0.127: v1(29.51,22.14) 29.15,22.49 U1#3.L18 ; SW1#3.4 41.2,35.12 40.48,34.4 39.69,34.4 v1(39.55,34.54)
  In2.Cu w0.127: v1(39.55,34.54) 39.33,34.54 35.62,30.83 35.62,22.24 34.87,21.49 32.17,21.49 31.53,22.14 v1(29.51,22.14)
Board_2-SW2: length 24.4
  Top w0.127: U1#3.K18 29.46,22.94 v1(29.5,22.94) ; SW1#3.3 40.94,36.12 40.15,35.33 v1(39.74,35.33)
  In2.Cu w0.127: v1(39.74,35.33) 35.37,30.96 35.37,22.41 34.9,21.94 33.29,21.94 32.82,22.41 30.03,22.41 v1(29.5,22.94)
Board_2-US2_ID: length 23.1
  Top w0.127: v1(21.52,29.31) 21.52,28.49 U1#3.D9 ; v1(19.12,38.81) 17.72,37.41 15.47,37.41 14.18,38.71 13.79,38.71 13.27,39.23 P1#3.4
  Bottom w0.127: v1(21.52,29.31) 21.3,29.54 21.3,37.18 20.38,38.09 20.18,38.09 19.9,38.37 R19#3.1 19.16,38.84 v1(19.12,38.81) 19.12,39.65 19.47,40 20.07,40 20.26,40.19 J2#3.1
